# Altium PCB 电解水杯拼版6in1.PcbDoc (part 6 of 9) (continued)
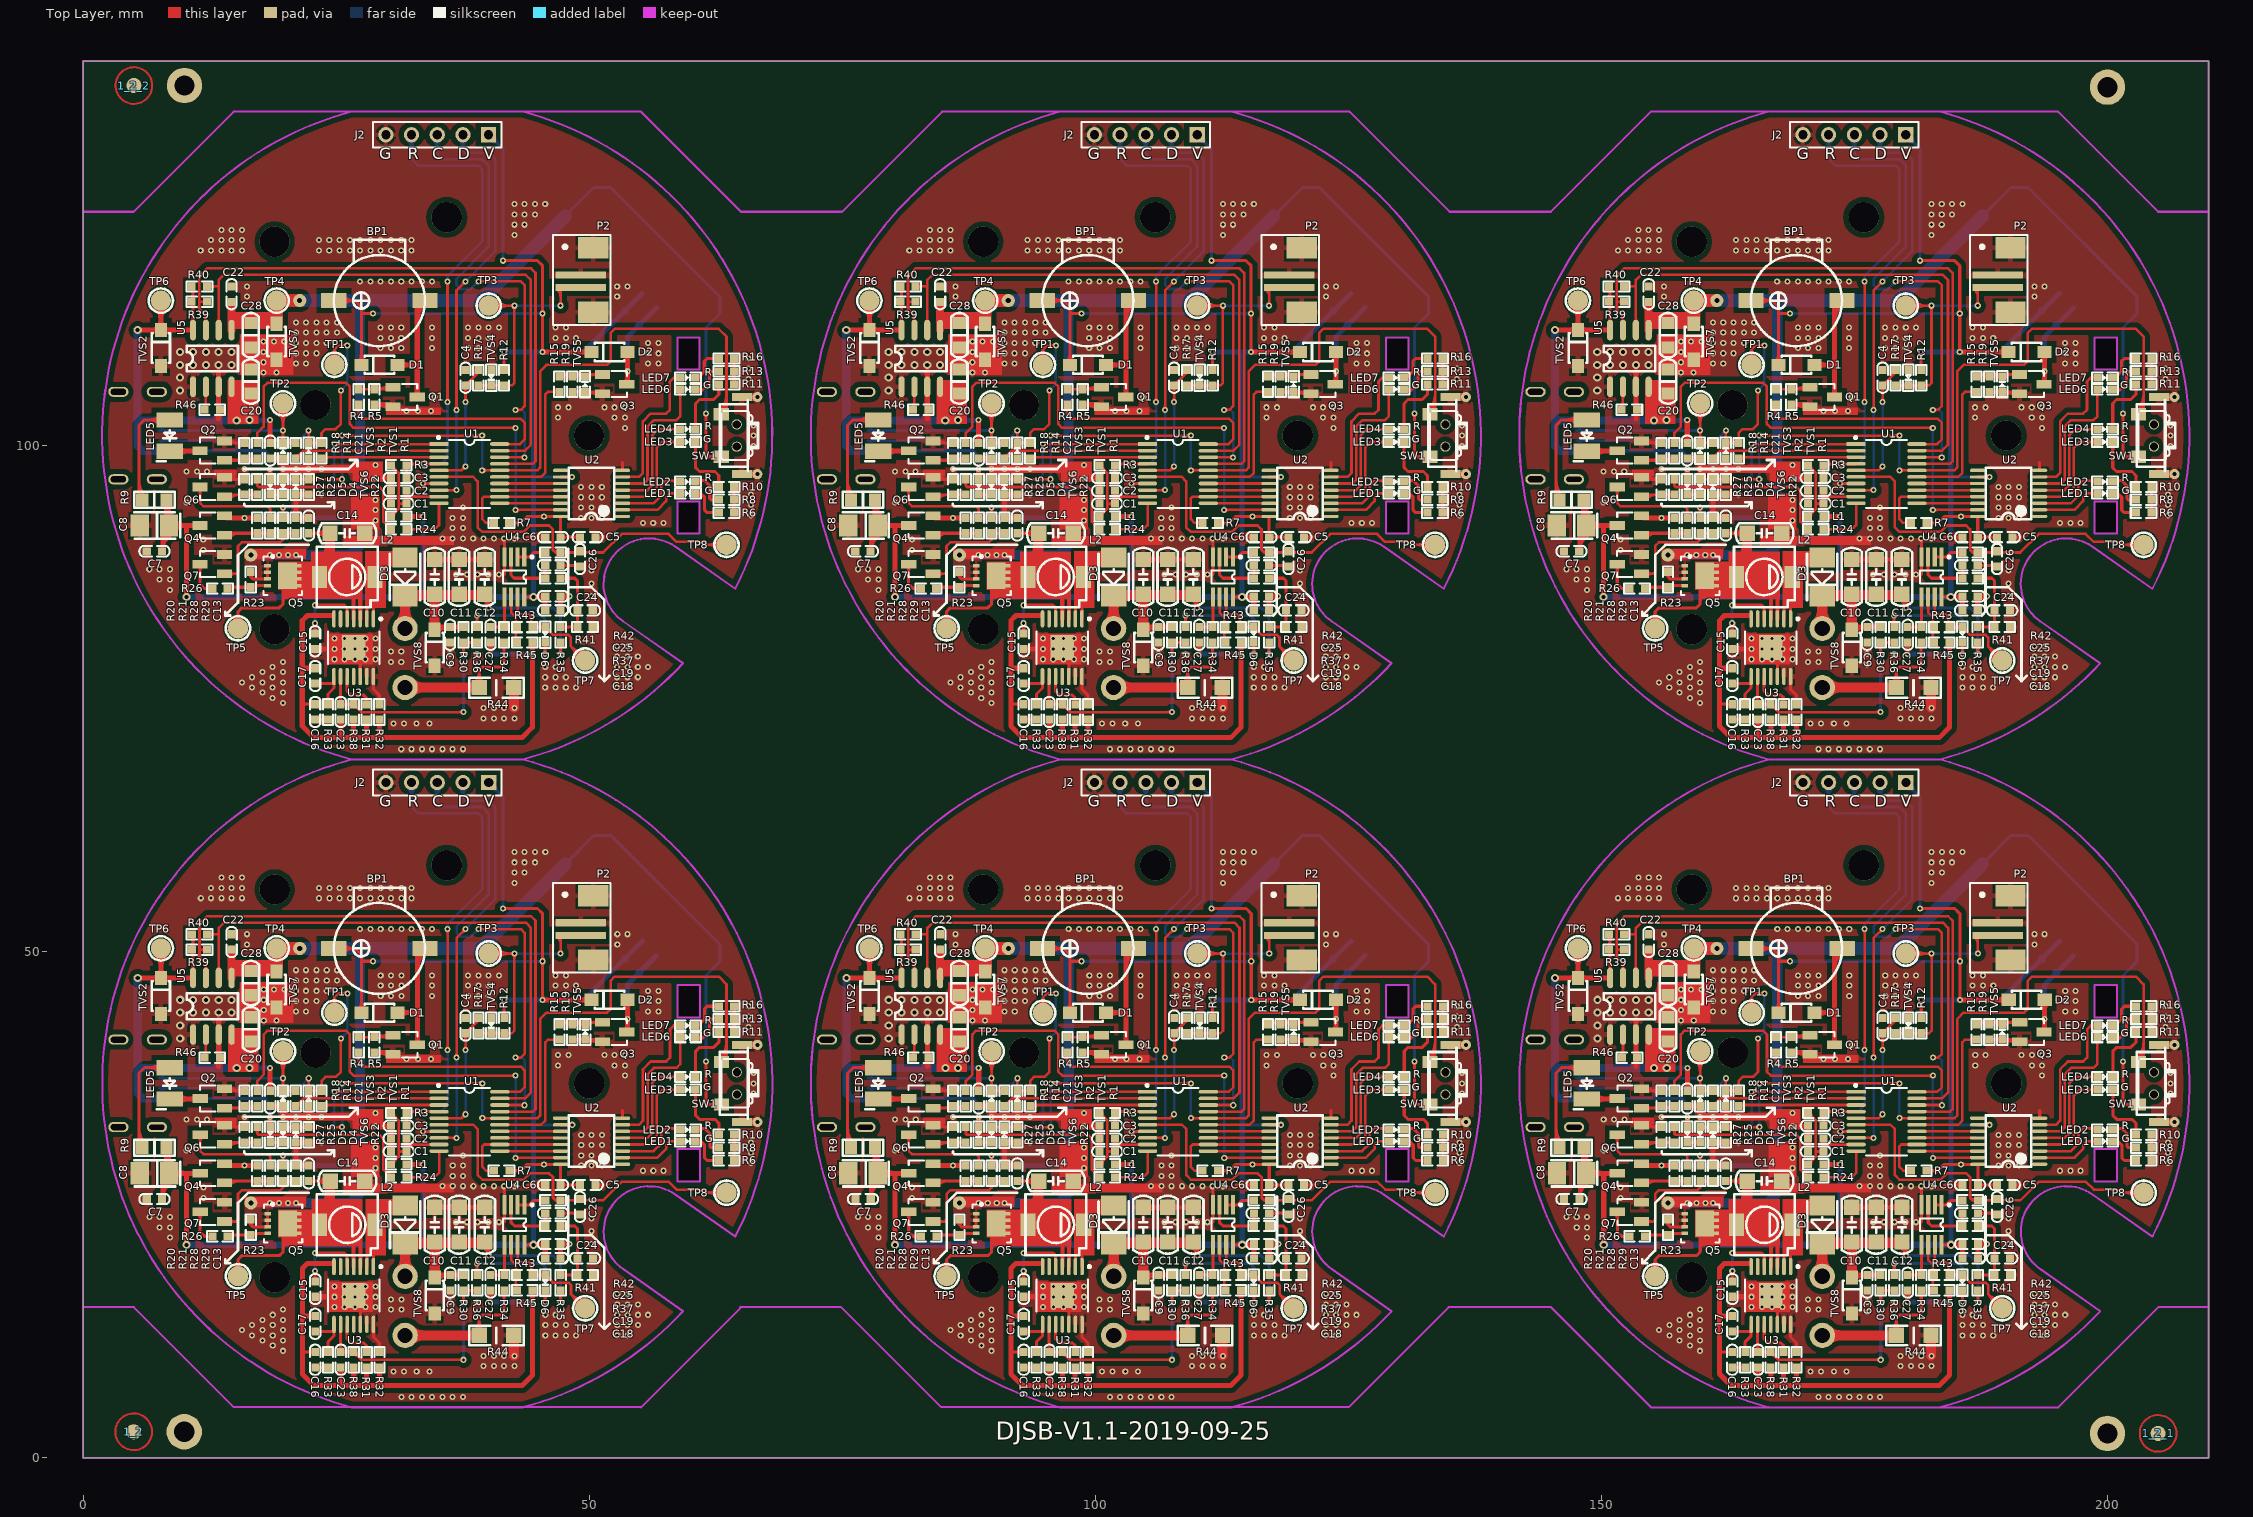
[diagram p0: Top Layer view]
## Nets (pads, with @x,y where several pads share a name; then routed paths per layer and width w, separated by ;. In a path a pad name is that pad's centre, name@x,y a point inside that pad or via, vN(x,y) a via of type N, cw(c..) or ccw(c..) an arc to the next point about the centre after c; other vN are vias at no path point) (continued)
162.927,82.019 ccw(c163.485,82.019) 163.09,81.624 ; 162.769,10.294 ccw(c162.375,9.9) 162.375,10.458 ccw(c162.375,11.015) 162.769,10.621 ; 162.769,17.624 ccw(c162.375,18.019) 162.933,18.019 ccw(c163.49,18.019) 163.096,17.624 ; v1@162.821,82.352 cw(c162.565,82.096) 162.927,82.096 cw(c163.289,82.096) v1@163.033,82.352 ; v1@162.826,18.352 cw(c162.57,18.096) 162.933,18.096 cw(c163.295,18.096) v1@163.039,18.352 ; 162.927,72.934 164.197,72.934 ; 162.927,76.489 164.787,76.489 ; 162.927,81.442 v1(162.927,82.458) ; v1(162.927,84.236) 165.833,84.236 166.087,83.982 166.087,82.896 ; 162.932,8.934 164.202,8.934 ; 162.933,12.489 164.792,12.489 ; 162.933,17.442 v1(162.933,18.458) ; v1(162.933,20.236) 165.838,20.236 166.092,19.982 166.092,18.896 ; v1@163.033,84.13 cw(c163.289,83.874) 163.289,84.236 cw(c163.289,84.598) v1@163.033,84.342 ; v1@163.039,20.13 cw(c163.295,19.874) 163.295,20.236 cw(c163.295,20.598) v1@163.039,20.342 ; 163.09,72.77 cw(c163.485,72.376) 163.485,72.934 cw(c163.485,73.491) 163.09,73.097 ; 163.09,76.326 cw(c163.485,75.931) 163.485,76.489 cw(c163.485,77.047) 163.09,76.652 ; 163.096,8.77 cw(c163.49,8.376) 163.49,8.934 cw(c163.49,9.491) 163.096,9.097 ; 163.096,12.326 cw(c163.49,11.931) 163.49,12.489 cw(c163.49,13.047) 163.096,12.652 ; 163.968,90.915 ccw(c162.923,89.87) 162.923,91.348 ccw(c162.923,92.825) 163.968,91.781 ; 163.973,26.915 ccw(c162.928,25.87) 162.928,27.348 ccw(c162.928,28.825) 163.973,27.781 ; 164.033,72.77 ccw(c163.639,72.376) 163.639,72.934 ccw(c163.639,73.491) 164.033,73.097 ; 164.033,74.64 ccw(c163.639,75.034) 164.197,75.034 ccw(c164.755,75.034) 164.36,74.64 ; 164.039,8.77 ccw(c163.645,8.376) 163.645,8.934 ccw(c163.645,9.491) 164.039,9.097 ; 164.039,10.64 ccw(c163.645,11.034) 164.202,11.034 ccw(c164.76,11.034) 164.366,10.64 ; 164.197,74.458 164.197,75.473 164.787,76.063 164.787,77.196 ; 164.202,10.458 164.202,11.473 164.792,12.063 164.792,13.196 ; 164.777,114.335 166.864,114.335 167.499,113.7 167.499,113.065 ; 164.783,50.335 166.87,50.335 167.505,49.7 167.505,49.065 ; 165.303,74.64 ccw(c164.982,74.962) 165.437,74.962 ; 165.309,10.64 ccw(c164.987,10.962) 165.442,10.962 ; 165.437,75.107 ccw(c166.097,75.107) 165.63,74.64 ; 165.437,77.196 165.437,74.488 165.467,74.458 166.737,74.458 ; 165.442,11.107 ccw(c166.102,11.107) 165.636,10.64 ; 165.442,13.196 165.442,10.488 165.472,10.458 166.742,10.458 ; 165.63,74.294 cw(c166.025,73.9) 166.025,74.458 cw(c166.025,75.015) 165.63,74.621 ; 165.636,10.294 cw(c166.03,9.9) 166.03,10.458 cw(c166.03,11.015) 165.636,10.621 ; 165.701,113.911 cw(c166.726,112.886) 166.726,114.335 cw(c166.726,115.784) 165.701,114.759 ; 165.707,49.911 cw(c166.731,48.886) 166.731,50.335 cw(c166.731,51.784) 165.707,50.759 ; 166.087,77.196 166.087,75.742 166.475,75.354 167.745,75.354 168.007,75.092 168.007,74.446 ; 166.092,13.196 166.092,11.742 166.481,11.354 167.751,11.354 168.013,11.092 168.013,10.446 ; 166.573,74.294 ccw(c166.179,73.9) 166.179,74.458 ccw(c166.179,75.015) 166.573,74.621 ; 166.579,10.294 ccw(c166.185,9.9) 166.185,10.458 ccw(c166.185,11.015) 166.579,10.621 ; 167.181,108.303 ccw(c166.413,109.071) 167.499,109.071 ccw(c168.585,109.071) 167.817,108.303 ; 167.186,44.303 ccw(c166.418,45.071) 167.505,45.071 ccw(c168.591,45.071) 167.823,44.303 ; 167.387,77.196 167.387,79.396 ; 167.392,13.196 167.392,15.396 ; 167.499,107.985 167.499,113.065 ; 167.505,43.985 167.505,49.065 ; 167.846,74.628 ccw(c167.458,75.016) 168.007,75.016 ; 167.852,10.628 ccw(c167.463,11.016) 168.013,11.016 ; 168.007,75.028 ccw(c168.573,75.028) 168.173,74.628 ; 168.013,11.028 ccw(c168.579,11.028) 168.178,10.628 ; 168.037,82.896 168.037,85.731 168.037,88.458 168.388,88.809 171.055,88.809 ; 168.042,18.896 168.042,21.731 168.042,24.458 168.393,24.809 171.06,24.809 ; 168.428,86.256 cw(c167.802,85.63) 168.687,85.63 ; 168.433,22.256 cw(c167.807,21.63) 168.692,21.63 ; v1@168.536,112.959 ccw(c168.28,112.703) 168.28,113.065 ccw(c168.28,113.427) v1@168.536,113.171 ; v1@168.541,48.959 ccw(c168.285,48.703) 168.285,49.065 ccw(c168.285,49.427) v1@168.541,49.171 ; v1(168.642,113.065) 167.499,113.065 ; v1(168.648,49.065) 167.505,49.065 ; 168.687,77.196 168.687,75.937 169.277,75.347 169.277,74.458 ; 168.687,82.896 168.687,86.381 ; 168.687,84.834 cw(c170.699,84.834) 169.276,86.256 ; 168.687,85.558 cw(c169.974,85.558) 169.064,86.469 ; 168.692,13.196 168.692,11.937 169.282,11.347 169.282,10.458 ; 168.692,18.896 168.692,22.381 ; 168.692,20.834 cw(c170.704,20.834) 169.282,22.256 ; 168.692,21.558 cw(c169.98,21.558) 169.069,22.469 ; 169.113,74.64 ccw(c168.719,75.034) 169.277,75.034 ccw(c169.835,75.034) 169.44,74.64 ; 169.119,10.64 ccw(c168.725,11.034) 169.282,11.034 ccw(c169.84,11.034) 169.446,10.64 ; 169.186,88.809 ccw(c169.186,91.326) 170.966,89.546 ; 169.191,24.809 ccw(c169.191,27.326) 170.971,25.546 ; 169.844,88.809 cw(c169.844,87.222) 170.966,88.344 ; 169.85,24.809 cw(c169.85,23.222) 170.971,24.344 ; 169.91,88.809 ccw(c169.91,90.602) 171.178,89.334 ; 169.916,24.809 ccw(c169.916,26.602) 171.184,25.334 ; 170.568,88.809 cw(c170.568,87.946) 171.178,88.556 ; 170.574,24.809 cw(c170.574,23.946) 171.184,24.556 ; 171.781,96.972 ccw(c171.386,97.367) 171.944,97.367 ccw(c172.502,97.367) 172.107,96.972 ; 171.781,97.916 cw(c171.386,97.521) 171.944,97.521 cw(c172.502,97.521) 172.107,97.916 ; 171.786,32.972 ccw(c171.392,33.367) 171.95,33.367 ccw(c172.507,33.367) 172.113,32.972 ; 171.786,33.916 cw(c171.392,33.521) 171.95,33.521 cw(c172.507,33.521) 172.113,33.916 ; 171.944,96.809 171.944,98.079 ; 171.95,32.809 171.95,34.079 ; 172.013,94.962 175.167,94.962 ; 172.019,30.962 175.173,30.962 ; 172.077,98.212 v1(173.622,98.212) 175.167,98.212 ; 172.082,34.212 v1(173.627,34.212) 175.173,34.212 ; 172.126,97.916 cw(c172.841,97.201) 172.841,98.212 ; 172.132,33.916 cw(c172.847,33.201) 172.847,34.212 ; v1@173.516,98.106 ccw(c173.26,97.85) 173.26,98.212 ccw(c173.26,98.574) v1@173.516,98.318 ; v1@173.521,34.106 ccw(c173.265,33.85) 173.265,34.212 ccw(c173.265,34.574) v1@173.521,34.318 ; v1(173.595,96.262) 175.167,96.262 ; v1(173.601,32.262) 175.173,32.262 ; v1@173.701,96.156 cw(c173.957,95.9) 173.957,96.262 cw(c173.957,96.624) v1@173.701,96.368 ; v1@173.707,32.156 cw(c173.963,31.9) 173.963,32.262 cw(c173.963,32.624) v1@173.707,32.368 ; v1@173.728,98.106 cw(c173.984,97.85) 173.984,98.212 cw(c173.984,98.574) v1@173.728,98.318 ; v1@173.733,34.106 cw(c173.99,33.85) 173.99,34.212 cw(c173.99,34.574) v1@173.733,34.318 ; 174.738,88.757 177.151,88.757 179.691,88.757 ; 174.744,24.757 177.157,24.757 179.697,24.757 ; 175.171,88.324 cw(c176.216,87.28) 176.216,88.757 cw(c176.216,90.235) 175.171,89.19 ; 175.176,24.324 cw(c176.221,23.28) 176.221,24.757 cw(c176.221,26.235) 175.176,25.19 ; 176.718,88.324 ccw(c175.674,87.28) 175.674,88.757 ccw(c175.674,90.235) 176.718,89.19 ; 176.724,24.324 ccw(c175.679,23.28) 175.679,24.757 ccw(c175.679,26.235) 176.724,25.19 ; 177.422,80.375 cw(c177.003,79.956) 177.596,79.956 ; 177.427,16.375 cw(c177.008,15.956) 177.601,15.956 ; v1@177.49,79.516 ccw(c177.233,79.772) 177.596,79.772 ccw(c177.958,79.772) v1@177.702,79.516 ; v1@177.495,15.516 ccw(c177.239,15.772) 177.601,15.772 ccw(c177.963,15.772) v1@177.707,15.516 ; 177.584,88.324 cw(c178.629,87.28) 178.629,88.757 cw(c178.629,90.235) 177.584,89.19 ; 177.589,24.324 cw(c178.634,23.28) 178.634,24.757 cw(c178.634,26.235) 177.589,25.19 ; v1(177.596,79.41) 177.596,80.553 178.929,80.553 ; 177.596,80.005 cw(c178.118,80.005) 177.749,80.375 ; v1(177.601,15.41) 177.601,16.553 178.935,16.553 ; 177.601,16.005 cw(c178.124,16.005) 177.754,16.375 ; 177.749,80.394 cw(c178.133,80.009) 178.133,80.553 ; 177.749,80.72 ccw(c178.153,81.124) 178.153,80.553 ; 177.754,16.394 cw(c178.139,16.009) 178.139,16.553 ; 177.754,16.72 ccw(c178.158,17.124) 178.158,16.553 ; 178.7,76.541 ccw(c177.655,77.585) 179.132,77.585 ccw(c180.61,77.585) 179.565,76.541 ; 178.705,12.541 ccw(c177.66,13.585) 179.138,13.585 ccw(c180.615,13.585) 179.57,12.541 ; 178.766,80.39 ccw(c178.371,79.995) 178.371,80.553 ccw(c178.371,81.111) 178.766,80.716 ; 178.766,82.259 ccw(c178.371,82.654) 178.929,82.654 ccw(c179.487,82.654) 179.092,82.259 ; 178.771,16.39 ccw(c178.377,15.995) 178.377,16.553 ccw(c178.377,17.111) 178.771,16.716 ; 178.771,18.259 ccw(c178.377,18.654) 178.935,18.654 ccw(c179.492,18.654) 179.098,18.259 ; v1@178.823,83.114 cw(c178.567,82.858) 178.929,82.858 cw(c179.291,82.858) v1@179.035,83.114 ; v1@178.828,19.114 cw(c178.572,18.858) 178.935,18.858 cw(c179.297,18.858) v1@179.041,19.114 ; 178.929,82.077 v1(178.929,83.22) ; 178.935,18.077 v1(178.935,19.22) ; 179.132,76.108 179.132,77.835 179.437,78.14 181.342,78.14 181.596,78.394 181.596,80.553 ; 179.138,12.108 179.138,13.835 179.443,14.14 181.348,14.14 181.602,14.394 181.602,16.553 ; 179.258,88.324 ccw(c178.214,87.28) 178.214,88.757 ccw(c178.214,90.235) 179.258,89.19 ; 179.264,24.324 ccw(c178.219,23.28) 178.219,24.757 ccw(c178.219,26.235) 179.264,25.19 ; 179.489,84.75 cw(c179.202,83.929) v1@180.072,83.929 ; 179.495,20.75 cw(c179.208,19.929) v1@180.078,19.929 ; 179.588,85.034 cw(c179.35,84.352) 180.072,84.352 ; 179.594,21.034 cw(c179.355,20.352) 180.078,20.352 ; v1@179.942,84.057 ccw(c179.669,84.215) 179.974,84.296 ; v1@179.948,20.057 ccw(c179.674,20.215) 179.979,20.296 ; 179.957,84.36 ccw(c180.351,84.466) v1@180.147,84.112 ; 179.962,20.36 ccw(c180.357,20.466) v1@180.153,20.112 ; v1@179.966,84.088 ccw(c179.71,84.344) 180.072,84.344 ccw(c180.434,84.344) v1@180.178,84.088 ; v1@179.971,20.088 ccw(c179.715,20.344) 180.078,20.344 ccw(c180.44,20.344) v1@180.184,20.088 ; v1(180.072,83.982) 180.072,84.947 ; v1(180.078,19.982) 180.078,20.947 ; 180.426,81.914 cw(c180.822,81.518) 180.822,82.078 ; 180.426,82.24 ccw(c180.819,82.633) 180.819,82.078 ; 180.431,17.914 cw(c180.827,17.518) 180.827,18.078 ; 180.431,18.24 ccw(c180.824,18.633) 180.824,18.078 ; 180.453,82.078 181.637,82.078 ; 180.459,18.078 181.643,18.078 ; 181.037,82.078 cw(c181.037,81.518) 181.433,81.914 ; 181.04,82.078 ccw(c181.04,82.633) 181.433,82.24 ; 181.042,18.078 cw(c181.042,17.518) 181.438,17.914 ; 181.045,18.078 ccw(c181.045,18.633) 181.438,18.24 ; 181.433,80.371 cw(c181.038,79.976) 181.596,79.976 cw(c182.154,79.976) 181.759,80.371 ; 181.433,82.259 ccw(c180.939,82.753) 181.637,82.753 ; 181.433,107.659 ccw(c181.038,108.054) 181.596,108.054 ccw(c182.154,108.054) 181.759,107.659 ; 181.438,16.371 cw(c181.044,15.976) 181.602,15.976 cw(c182.159,15.976) 181.765,16.371 ; 181.438,18.259 ccw(c180.945,18.753) 181.643,18.753 ; 181.438,43.659 ccw(c181.044,44.054) 181.602,44.054 ccw(c182.159,44.054) 181.765,43.659 ; v1(181.469,118.272) 184.898,118.272 185.406,117.764 v1(185.406,113.065) v1(185.406,109.255) ; v1(181.475,54.272) 184.904,54.272 185.412,53.764 v1(185.412,49.065) v1(185.412,45.255) ; v1@181.49,90.734 cw(c181.135,90.379) 181.637,90.379 ; v1@181.49,109.149 cw(c181.234,108.893) 181.596,108.893 cw(c181.958,108.893) v1@181.702,109.149 ; v1@181.495,26.734 cw(c181.14,26.379) 181.643,26.379 ; v1@181.495,45.149 cw(c181.239,44.893) 181.602,44.893 cw(c181.964,44.893) v1@181.708,45.149 ; v1@181.575,118.166 cw(c181.831,117.91) 181.831,118.272 cw(c181.831,118.634) v1@181.575,118.378 ; v1@181.581,54.166 cw(c181.837,53.91) 181.837,54.272 cw(c181.837,54.634) v1@181.581,54.378 ; 181.596,107.477 v1(181.596,109.255) ; 181.602,43.477 v1(181.602,45.255) ; 181.637,82.118 181.637,83.135 181.637,85.055 ; 181.637,82.555 ccw(c182.055,82.555) 181.759,82.259 ; 181.637,87.284 181.637,89.005 v1@181.637,90.627 ; 181.643,18.118 181.643,19.135 181.643,21.055 ; 181.643,18.555 ccw(c182.06,18.555) 181.765,18.259 ; 181.643,23.284 181.643,25.005 v1@181.643,26.627 ; 182.107,92.368 183.25,92.368 183.881,92.999 v1(185.533,92.999) ; 182.112,28.368 183.255,28.368 183.886,28.999 v1(185.539,28.999) ; 182.287,89.005 182.287,87.229 182.612,86.904 185.66,86.904 185.66,88.174 ; 182.289,92.205 cw(c182.683,91.81) 182.683,92.368 cw(c182.683,92.926) 182.289,92.531 ; 182.293,25.005 182.293,23.229 182.618,22.904 185.665,22.904 185.665,24.174 ; 182.294,28.205 cw(c182.689,27.81) 182.689,28.368 cw(c182.689,28.926) 182.294,28.531 ; 182.952,89.006 184.079,89.006 184.517,89.444 185.66,89.444 ; 182.957,25.006 184.084,25.006 184.522,25.444 185.665,25.444 ; 183.587,85.056 v2(184.517,85.056) ; 183.593,21.056 v2(184.522,21.056) ; 183.882,90.967 185.66,90.967 ; 183.888,26.967 185.666,26.967 ; v2@184.34,84.879 ccw(c183.913,84.452) 183.913,85.056 ccw(c183.913,85.659) v2@184.34,85.232 ; v2@184.345,20.879 ccw(c183.919,20.452) 183.919,21.056 ccw(c183.919,21.659) v2@184.345,21.232 ; v1@185.3,109.361 ccw(c185.044,109.617) 185.406,109.617 ccw(c185.768,109.617) v1@185.512,109.361 ; v1@185.3,112.959 cw(c185.044,112.703) 185.406,112.703 cw(c185.768,112.703) v1@185.512,112.959 ; v1@185.3,113.171 ccw(c185.044,113.427) 185.406,113.427 ccw(c185.768,113.427) v1@185.512,113.171 ; v1@185.305,45.361 ccw(c185.049,45.617) 185.412,45.617 ccw(c185.774,45.617) v1@185.518,45.361 ; v1@185.305,48.959 cw(c185.049,48.703) 185.412,48.703 cw(c185.774,48.703) v1@185.518,48.959 ; v1@185.305,49.171 ccw(c185.049,49.427) 185.412,49.427 ccw(c185.774,49.427) v1@185.518,49.171 ; v1@185.427,92.893 ccw(c185.171,92.637) 185.171,92.999 ccw(c185.171,93.361) v1@185.427,93.105 ; v1@185.432,28.893 ccw(c185.176,28.637) 185.176,28.999 ccw(c185.176,29.361) v1@185.432,29.105 ; 185.477,86.74 ccw(c185.083,86.346) 185.083,86.904 ccw(c185.083,87.461) 185.477,87.067 ; 185.477,89.28 ccw(c185.083,88.886) 185.083,89.444 ccw(c185.083,90.001) 185.477,89.607 ; 185.478,90.804 ccw(c185.083,90.41) 185.083,90.967 ccw(c185.083,91.525) 185.478,91.131 ; 185.483,22.74 ccw(c185.089,22.346) 185.089,22.904 ccw(c185.089,23.461) 185.483,23.067 ; 185.483,25.28 ccw(c185.089,24.886) 185.089,25.444 ccw(c185.089,26.001) 185.483,25.607 ; 185.483,26.804 ccw(c185.089,26.41) 185.089,26.967 ccw(c185.089,27.525) 185.483,27.131 ; 185.496,80.371 cw(c185.102,79.977) 185.66,79.977 cw(c186.218,79.977) 185.823,80.371 ; 185.496,87.067 ccw(c185.102,87.461) 185.66,87.461 ccw(c186.218,87.461) 185.823,87.067 ; 185.496,88.01 cw(c185.102,87.616) 185.66,87.616 cw(c186.218,87.616) 185.823,88.01 ; 185.502,16.371 cw(c185.108,15.977) 185.665,15.977 cw(c186.223,15.977) 185.829,16.371 ; 185.502,23.067 ccw(c185.108,23.461) 185.665,23.461 ccw(c186.223,23.461) 185.829,23.067 ; 185.502,24.01 cw(c185.108,23.616) 185.665,23.616 cw(c186.223,23.616) 185.829,24.01 ; v1@185.554,79.517 ccw(c185.298,79.773) 185.66,79.773 ccw(c186.022,79.773) v1@185.766,79.517 ; v1@185.559,15.517 ccw(c185.303,15.773) 185.665,15.773 ccw(c186.027,15.773) v1@185.771,15.517 ; v1@185.639,92.893 cw(c185.895,92.637) 185.895,92.999 cw(c185.895,93.361) v1@185.639,93.105 ; v1@185.645,28.893 cw(c185.901,28.637) 185.901,28.999 cw(c185.901,29.361) v1@185.645,29.105 ; v1(185.66,79.411) 185.66,80.554 ; v1@185.66,92.999 186.803,92.999 ; v1(185.665,15.411) 185.665,16.554 ; v1@185.666,28.999 186.809,28.999 ; 187.02,80.371 cw(c186.626,79.977) 187.184,79.977 cw(c187.742,79.977) 187.347,80.371 ; 187.021,91.131 ccw(c186.626,91.525) 187.184,91.525 ccw(c187.742,91.525) 187.347,91.131 ; 187.026,16.371 cw(c186.632,15.977) 187.189,15.977 cw(c187.747,15.977) 187.353,16.371 ; 187.026,27.131 ccw(c186.632,27.525) 187.19,27.525 ccw(c187.747,27.525) 187.353,27.131 ; v1@187.078,79.517 ccw(c186.822,79.773) 187.184,79.773 ccw(c187.546,79.773) v1@187.29,79.517 ; v1@187.083,15.517 ccw(c186.827,15.773) 187.189,15.773 ccw(c187.551,15.773) v1@187.295,15.517 ; 187.163,96.91 v1(188.327,96.91) ; 187.169,32.91 v1(188.333,32.91) ; v1(187.184,79.411) 187.184,80.554 ; 187.184,82.078 188.835,82.078 188.835,83.729 188.835,86.65 188.581,86.904 187.184,86.904 ; 187.184,88.174 189.216,88.174 ; 187.184,92.999 187.184,90.967 189.089,90.967 ; v1(187.189,15.411) 187.189,16.554 ; 187.189,18.078 188.84,18.078 188.84,19.729 188.84,22.65 188.586,22.904 187.189,22.904 ; 187.189,24.174 189.222,24.174 ; 187.19,26.967 187.19,28.999 ; 187.19,26.967 189.095,26.967 ; 187.347,81.914 cw(c187.742,81.52) 187.742,82.078 cw(c187.742,82.635) 187.347,82.241 ; 187.353,17.914 cw(c187.747,17.52) 187.747,18.078 cw(c187.747,18.635) 187.353,18.241 ; 187.366,86.74 cw(c187.761,86.346) 187.761,86.904 cw(c187.761,87.461) 187.366,87.067 ; 187.366,88.01 cw(c187.761,87.616) 187.761,88.174 cw(c187.761,88.731) 187.366,88.337 ; 187.366,90.804 cw(c187.76,90.41) 187.76,90.967 ; 187.366,91.131 ccw(c187.761,91.525) 187.761,90.967 ; 187.372,22.74 cw(c187.766,22.346) 187.766,22.904 cw(c187.766,23.461) 187.372,23.067 ; 187.372,24.01 cw(c187.766,23.616) 187.766,24.174 cw(c187.766,24.731) 187.372,24.337 ; 187.372,26.804 cw(c187.766,26.41) 187.766,26.967 ; 187.372,27.131 ccw(c187.767,27.525) 187.767,26.967 ; v1@188.221,96.804 ccw(c187.965,96.548) 187.965,96.91 ccw(c187.965,97.272) v1@188.221,97.016 ; v1@188.226,32.804 ccw(c187.97,32.548) 187.97,32.91 ccw(c187.97,33.272) v1@188.226,33.016 ; 188.269,88.174 cw(c188.269,87.245) 188.926,87.902 ; 188.275,24.174 cw(c188.275,23.245) 188.931,23.902 ; 188.327,105.318 189.597,105.318 191.13,105.318 ; 188.333,41.318 189.603,41.318 191.136,41.318 ; 188.49,105.155 cw(c188.885,104.76) 188.885,105.318 cw(c188.885,105.876) 188.49,105.481 ; 188.496,41.155 cw(c188.89,40.76) 188.89,41.318 cw(c188.89,41.876) 188.496,41.481 ; 188.652,81.914 ccw(c188.258,81.52) 188.258,82.078 ccw(c188.258,82.635) 188.652,82.241 ; 188.658,17.914 ccw(c188.264,17.52) 188.264,18.078 ccw(c188.264,18.635) 188.658,18.241 ; 188.671,82.241 ccw(c188.277,82.635) 188.835,82.635 ccw(c189.393,82.635) 188.998,82.241 ; 188.671,83.565 cw(c188.277,83.171) 188.835,83.171 cw(c189.393,83.171) 188.998,83.565 ; 188.671,83.892 ccw(c188.277,84.286) 188.835,84.286 ccw(c189.393,84.286) 188.998,83.892 ; 188.677,18.241 ccw(c188.283,18.635) 188.84,18.635 ccw(c189.398,18.635) 189.004,18.241 ; 188.677,19.565 cw(c188.283,19.171) 188.84,19.171 cw(c189.398,19.171) 189.004,19.565 ; 188.677,19.892 ccw(c188.283,20.286) 188.84,20.286 ccw(c189.398,20.286) 189.004,19.892 ; 188.907,90.804 ccw(c188.512,90.409) 188.512,90.967 ccw(c188.512,91.525) 188.907,91.13 ; 188.912,26.804 ccw(c188.518,26.409) 188.518,26.967 ccw(c188.518,27.525) 188.912,27.13 ; 189.434,105.155 ccw(c189.039,104.76) 189.039,105.318 ccw(c189.039,105.876) 189.434,105.481 ; 189.439,41.155 ccw(c189.045,40.76) 189.045,41.318 ccw(c189.045,41.876) 189.439,41.481 ; 189.713,105.099 cw(c190.146,104.349) 190.37,105.185 ; 189.718,41.099 cw(c190.151,40.349) 190.375,41.185 ; 189.76,105.155 cw(c190.155,104.76) 190.155,105.318 cw(c190.155,105.876) 189.76,105.481 ; 189.766,41.155 cw(c190.16,40.76) 190.16,41.318 cw(c190.16,41.876) 189.766,41.481 ; 189.875,105.318 cw(c189.875,104.012) 190.799,104.936 ; 189.881,41.318 cw(c189.881,40.012) 190.804,40.936 ; 190.6,105.318 cw(c190.6,104.736) 191.011,105.148 ; 190.605,41.318 cw(c190.605,40.736) 191.016,41.148 ; 190.613,90.967 191.756,90.967 ; 190.619,26.967 191.762,26.967 ; 190.795,90.804 cw(c191.19,90.409) 191.19,90.967 cw(c191.19,91.525) 190.795,91.13 ; 190.801,26.804 cw(c191.195,26.409) 191.195,26.967 cw(c191.195,27.525) 190.801,27.13 ; 193.301,97.56 193.301,98.312 ; 193.307,33.56 193.307,34.312 ; 200.356,100.202 cw(c199.961,99.807) 200.519,99.807 cw(c201.077,99.807) 200.682,100.202 ; 200.356,101.798 ccw(c199.961,102.193) 200.519,102.193 ccw(c201.077,102.193) 200.682,101.798 ; 200.361,36.202 cw(c199.967,35.807) 200.525,35.807 cw(c201.082,35.807) 200.688,36.202 ; 200.361,37.798 ccw(c199.967,38.193) 200.525,38.193 ccw(c201.082,38.193) 200.688,37.798 ; 200.513,95.349 cw(c200.706,94.853) 201.083,95.229 ; 200.519,31.349 cw(c200.711,30.853) 201.088,31.229 ; 200.519,95.285 201.027,95.285 ; 200.519,96.555 201.408,96.555 201.916,96.047 201.916,94.777 202.043,94.65 202.805,94.65 ; 200.519,100.365 200.519,97.825 200.9,97.444 202.424,97.444 202.805,97.063 202.805,95.92 ; 200.519,101.635 200.519,104.175 200.9,104.556 202.297,104.556 202.805,105.064 202.805,106.08 ; 200.519,105.445 201.154,105.445 ; 200.519,106.715 200.768,106.715 201.373,107.32 201.373,108.331 201.662,108.62 202.805,108.62 ; 200.525,31.285 201.033,31.285 ; 200.525,32.555 201.414,32.555 201.922,32.047 201.922,30.777 202.049,30.65 202.811,30.65 ; 200.525,36.365 200.525,33.825 200.906,33.444 202.43,33.444 202.811,33.063 202.811,31.92 ; 200.525,37.635 200.525,40.175 200.906,40.556 202.303,40.556 202.811,41.064 202.811,42.08 ; 200.525,41.445 201.16,41.445 ; 200.525,42.715 200.774,42.715 201.379,43.32 201.379,44.331 201.668,44.62 202.811,44.62 ; 200.622,95.07 cw(c200.888,94.384) 201.408,94.904 ; 200.627,31.07 cw(c200.893,30.384) 201.414,30.904 ; 200.701,96.265 cw(c201.402,95.564) 201.402,96.555 ; 200.707,32.265 cw(c201.408,31.564) 201.408,32.555 ; 200.717,95.138 cw(c201.027,94.883) 201.027,95.285 ; 200.717,95.432 ccw(c201.027,95.687) 201.027,95.285 ; 200.722,31.138 cw(c201.033,30.883) 201.033,31.285 ; 200.722,31.432 ccw(c201.033,31.687) 201.033,31.285 ; 200.739,105.686 ccw(c201.154,105.923) 201.154,105.445 ; 200.744,41.686 ccw(c201.16,41.923) 201.16,41.445 ; v1@201.429,103.053 cw(c201.173,102.797) 201.535,102.797 cw(c201.897,102.797) v1@201.641,103.053 ; v1@201.434,39.053 cw(c201.178,38.797) 201.541,38.797 cw(c201.903,38.797) v1@201.647,39.053 ; v1(201.535,103.159) 201.535,99.222 201.856,98.901 ; v1(201.541,39.159) 201.541,35.222 201.862,34.901 ; 202.583,98.59 ccw(c201.856,97.895) 201.856,98.901 ; 202.583,99.212 cw(c201.856,99.906) 201.856,98.901 ; 202.589,34.59 ccw(c201.862,33.895) 201.862,34.901 ; 202.589,35.212 cw(c201.862,35.906) 201.862,34.901 ; 202.623,93.217 ccw(c202.228,92.822) 202.228,93.38 ccw(c202.228,93.938) 202.623,93.543 ; 202.623,94.487 ccw(c202.228,94.092) 202.228,94.65 ccw(c202.228,95.208) 202.623,94.813 ; 202.623,107.187 ccw(c202.228,106.792) 202.228,107.35 ccw(c202.228,107.908) 202.623,107.513 ; 202.623,108.457 ccw(c202.228,108.062) 202.228,108.62 ccw(c202.228,109.178) 202.623,108.783 ; 202.628,29.217 ccw(c202.234,28.822) 202.234,29.38 ccw(c202.234,29.938) 202.628,29.543 ; 202.628,30.487 ccw(c202.234,30.092) 202.234,30.65 ccw(c202.234,31.208) 202.628,30.813 ; 202.628,43.187 ccw(c202.234,42.792) 202.234,43.35 ccw(c202.234,43.908) 202.628,43.513 ; 202.628,44.457 ccw(c202.234,44.062) 202.234,44.62 ccw(c202.234,45.178) 202.628,44.783 ; 202.642,96.083 ccw(c202.247,96.478) 202.805,96.478 ccw(c203.363,96.478) 202.968,96.083 ; 202.642,105.917 cw(c202.247,105.522) 202.805,105.522 cw(c203.363,105.522) 202.968,105.917 ; 202.647,32.083 ccw(c202.253,32.478) 202.811,32.478 ccw(c203.368,32.478) 202.974,32.083 ; 202.647,41.917 cw(c202.253,41.522) 202.811,41.522 cw(c203.368,41.522) 202.974,41.917 ; 202.805,93.38 201.662,93.38 201.408,93.634 201.408,94.904 ; 202.805,107.35 202.043,107.35 201.873,107.18 201.873,106.164 201.154,105.445 ; 202.811,29.38 201.668,29.38 201.414,29.634 201.414,30.904 ; 202.811,43.35 202.049,43.35 201.879,43.18 201.879,42.164 201.16,41.445 ; 203.059,98.901 201.856,98.901 ; 203.059,103.101 203.382,103.101 203.567,103.286 ; 203.064,34.901 201.862,34.901 ; 203.064,39.101 203.387,39.101 203.573,39.286 ; 204.166,93.543 ccw(c203.771,93.938) 204.329,93.938 ccw(c204.887,93.938) 204.492,93.543 ; 204.166,94.487 cw(c203.771,94.092) 204.329,94.092 cw(c204.887,94.092) 204.492,94.487 ; 204.166,94.813 ccw(c203.771,95.208) 204.329,95.208 ccw(c204.887,95.208) 204.492,94.813 ; 204.166,95.757 cw(c203.771,95.362) 204.329,95.362 cw(c204.887,95.362) 204.492,95.757 ; 204.166,106.243 ccw(c203.771,106.638) 204.329,106.638 ccw(c204.887,106.638) 204.492,106.243 ; 204.166,107.187 cw(c203.771,106.792) 204.329,106.792 cw(c204.887,106.792) 204.492,107.187 ; 204.166,107.513 ccw(c203.771,107.908) 204.329,107.908 ccw(c204.887,107.908) 204.492,107.513 ; 204.166,108.457 cw(c203.771,108.062) 204.329,108.062 cw(c204.887,108.062) 204.492,108.457 ; 204.171,29.543 ccw(c203.777,29.938) 204.335,29.938 ccw(c204.892,29.938) 204.498,29.543 ; 204.171,30.487 cw(c203.777,30.092) 204.335,30.092 cw(c204.892,30.092) 204.498,30.487 ; 204.171,30.813 ccw(c203.777,31.208) 204.335,31.208 ccw(c204.892,31.208) 204.498,30.813 ; 204.171,31.757 cw(c203.777,31.362) 204.335,31.362 cw(c204.892,31.362) 204.498,31.757 ; 204.171,42.243 ccw(c203.777,42.638) 204.335,42.638 ccw(c204.892,42.638) 204.498,42.243 ; 204.171,43.187 cw(c203.777,42.792) 204.335,42.792 cw(c204.892,42.792) 204.498,43.187 ; 204.171,43.513 ccw(c203.777,43.908) 204.335,43.908 ccw(c204.892,43.908) 204.498,43.513 ; 204.171,44.457 cw(c203.777,44.062) 204.335,44.062 cw(c204.892,44.062) 204.498,44.457 ; 204.329,93.38 204.329,94.65 204.329,95.92 ; 204.329,106.08 204.329,107.35 204.329,108.62 ; 204.335,29.38 204.335,30.65 204.335,31.92 ; 204.335,42.08 204.335,43.35 204.335,44.62 ; 16.577,87.03 16.775,86.832 ; 16.583,23.03 16.781,22.832 ; 61.027,95.285 61.408,94.904 ; 61.033,31.285 61.414,30.904 ; 86.577,87.03 86.775,86.832 ; 86.583,23.03 86.781,22.832 ; 131.027,95.285 131.408,94.904 ; 131.033,31.285 131.414,30.904 ; 156.577,87.03 156.775,86.832 ; 156.583,23.03 156.781,22.832 ; 201.027,95.285 201.408,94.904 ; 201.033,31.285 201.414,30.904
  Top Layer w0.4: 23.352,87.031 23.987,86.395 26.229,86.395 26.737,85.887 26.737,82.896 ; 23.357,23.031 23.993,22.395 26.235,22.395 26.742,21.887 26.742,18.896 ; 23.458,86.787 ccw(c24.404,87.732) 24.404,86.395 ; 23.463,22.787 ccw(c24.409,23.732) 24.409,22.395 ; 23.741,87.07 ccw(c25.369,88.698) 25.369,86.395 ; 23.746,23.07 ccw(c25.375,24.698) 25.375,22.395 ; 26.864,87.03 27.387,86.507 27.387,82.896 ; 26.87,23.03 27.392,22.507 27.392,18.896 ; 93.352,87.031 93.987,86.395 96.229,86.395 96.737,85.887 96.737,82.896 ; 93.357,23.031 93.993,22.395 96.235,22.395 96.742,21.887 96.742,18.896 ; 93.458,86.787 ccw(c94.404,87.732) 94.404,86.395 ; 93.463,22.787 ccw(c94.409,23.732) 94.409,22.395 ; 93.741,87.07 ccw(c95.369,88.698) 95.369,86.395 ; 93.746,23.07 ccw(c95.375,24.698) 95.375,22.395 ; 96.864,87.03 97.387,86.507 97.387,82.896 ; 96.87,23.03 97.392,22.507 97.392,18.896 ; 163.352,87.031 163.987,86.395 166.229,86.395 166.737,85.887 166.737,82.896 ; 163.357,23.031 163.993,22.395 166.235,22.395 166.742,21.887 166.742,18.896 ; 163.458,86.787 ccw(c164.404,87.732) 164.404,86.395 ; 163.463,22.787 ccw(c164.409,23.732) 164.409,22.395 ; 163.741,87.07 ccw(c165.369,88.698) 165.369,86.395 ; 163.746,23.07 ccw(c165.375,24.698) 165.375,22.395 ; 166.864,87.03 167.387,86.507 167.387,82.896 ; 166.87,23.03 167.392,22.507 167.392,18.896